# Altium PCB 4层.PcbDoc
Units mil, origin at the board's own origin, x right, y up, seen from the top; angles counter-clockwise.
Board outline 1821.34 x 584.68 mil, 4 copper layers (Top Layer, GND, POW, Bottom Layer), stack 22.362 mil thick; 37 components, 35 nets, 157 pads, 83 vias.
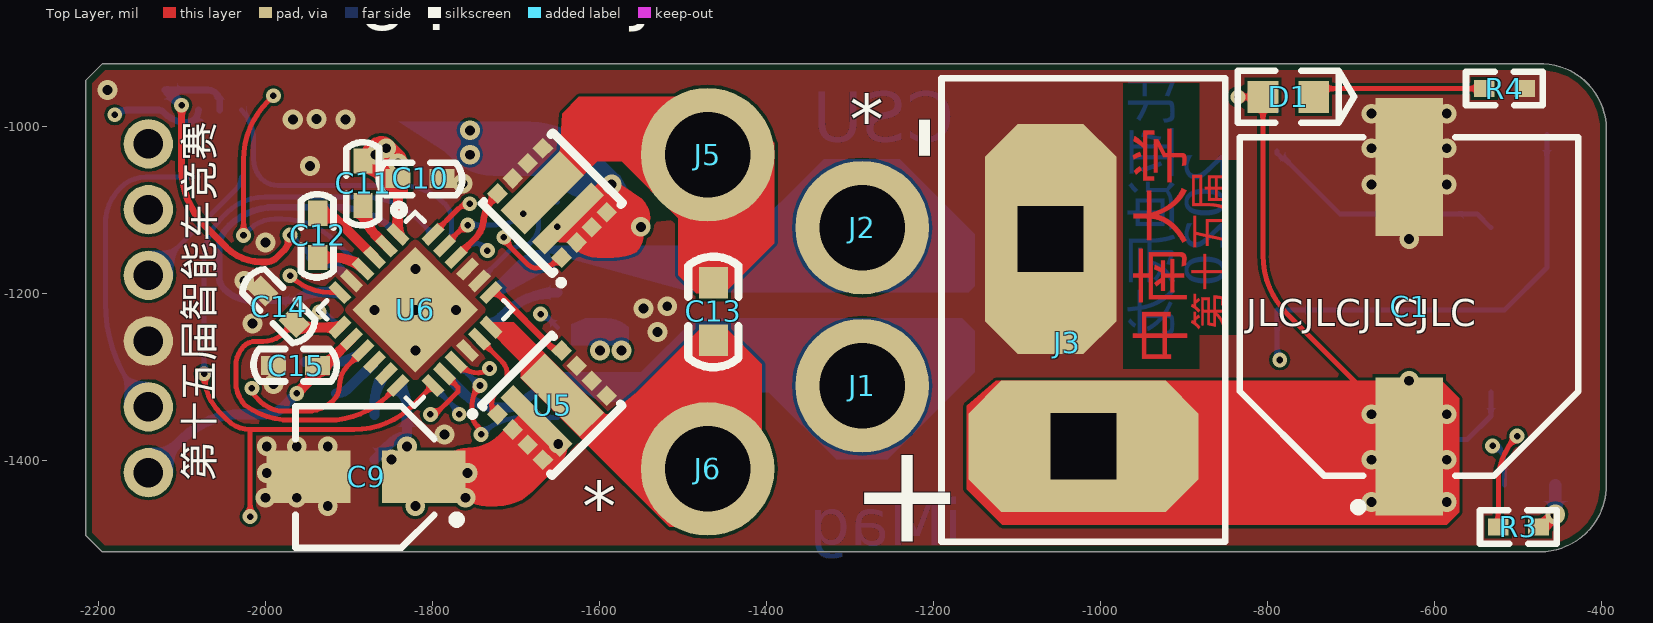
[diagram p0: Top Layer view]
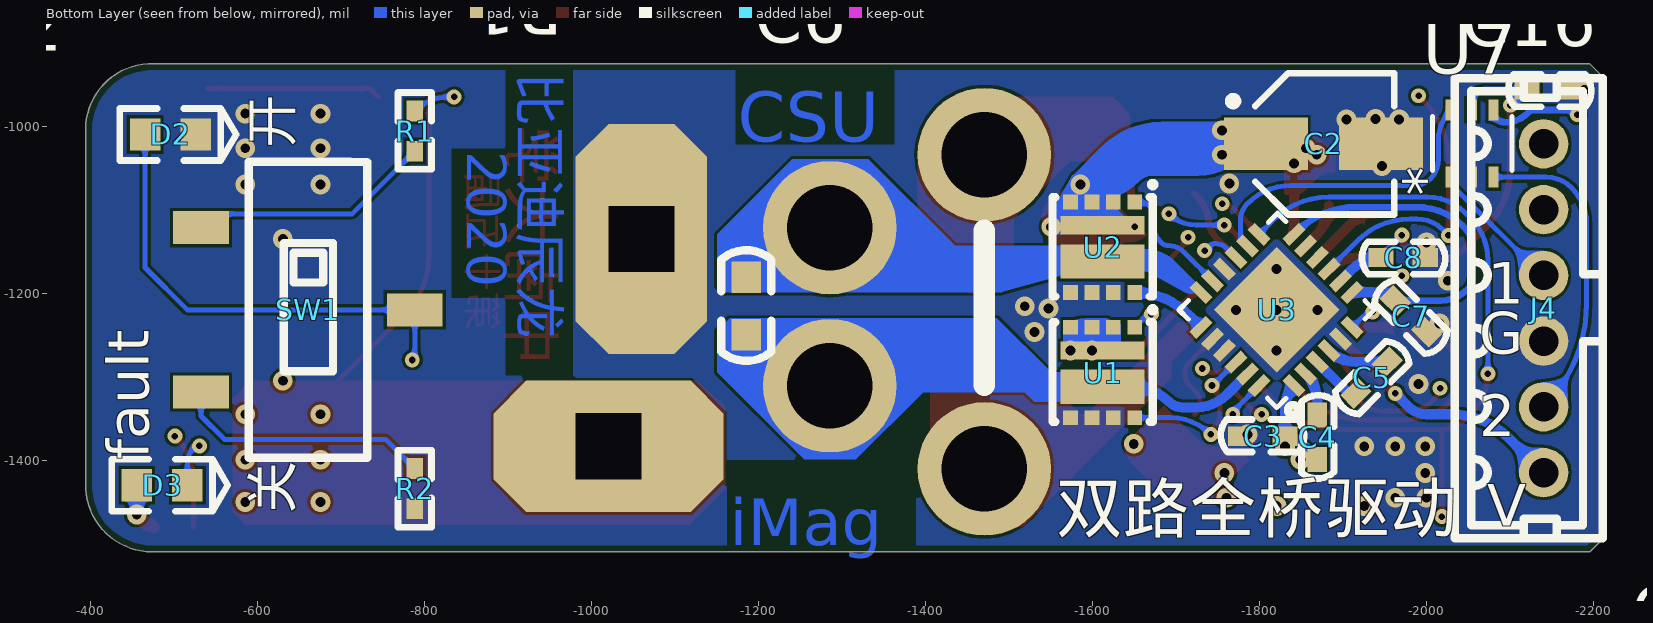
[diagram p1: Bottom Layer view, seen from below]
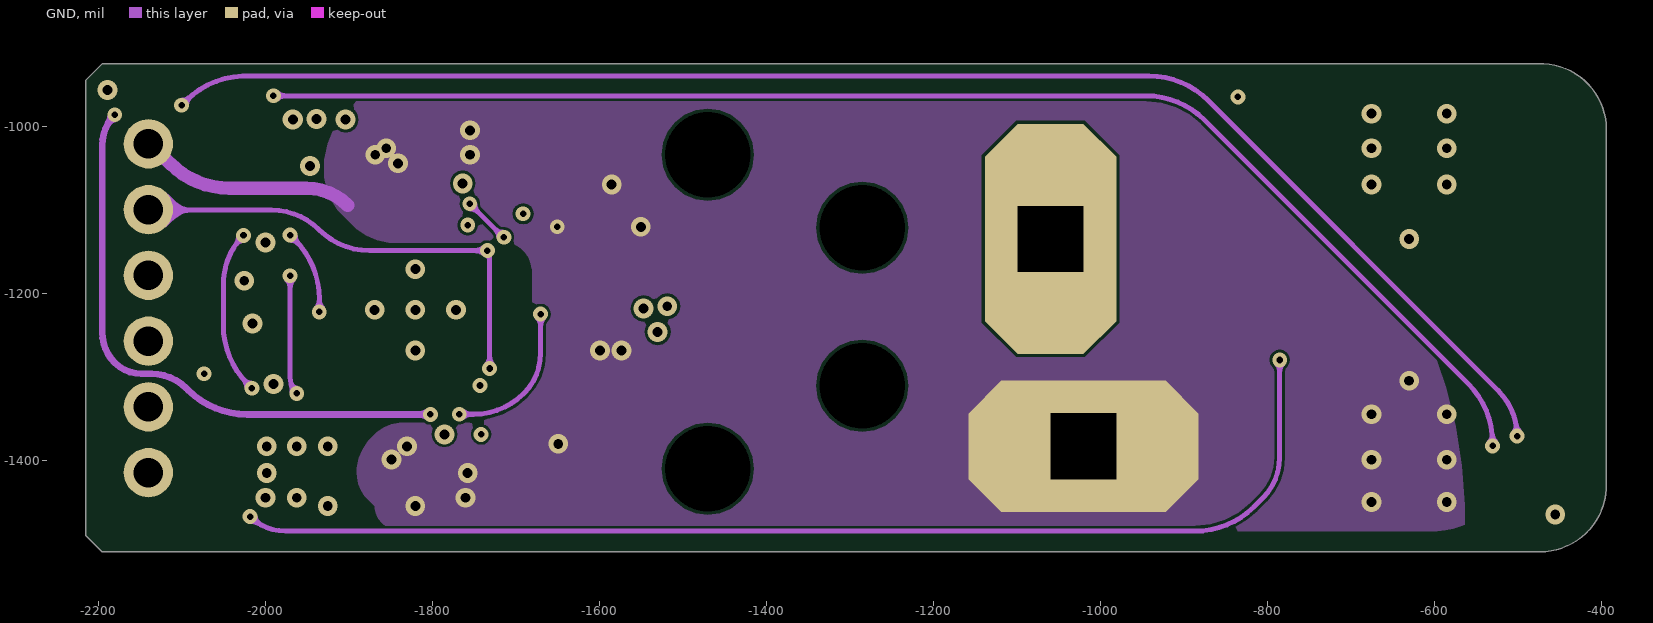
[diagram p2: GND]
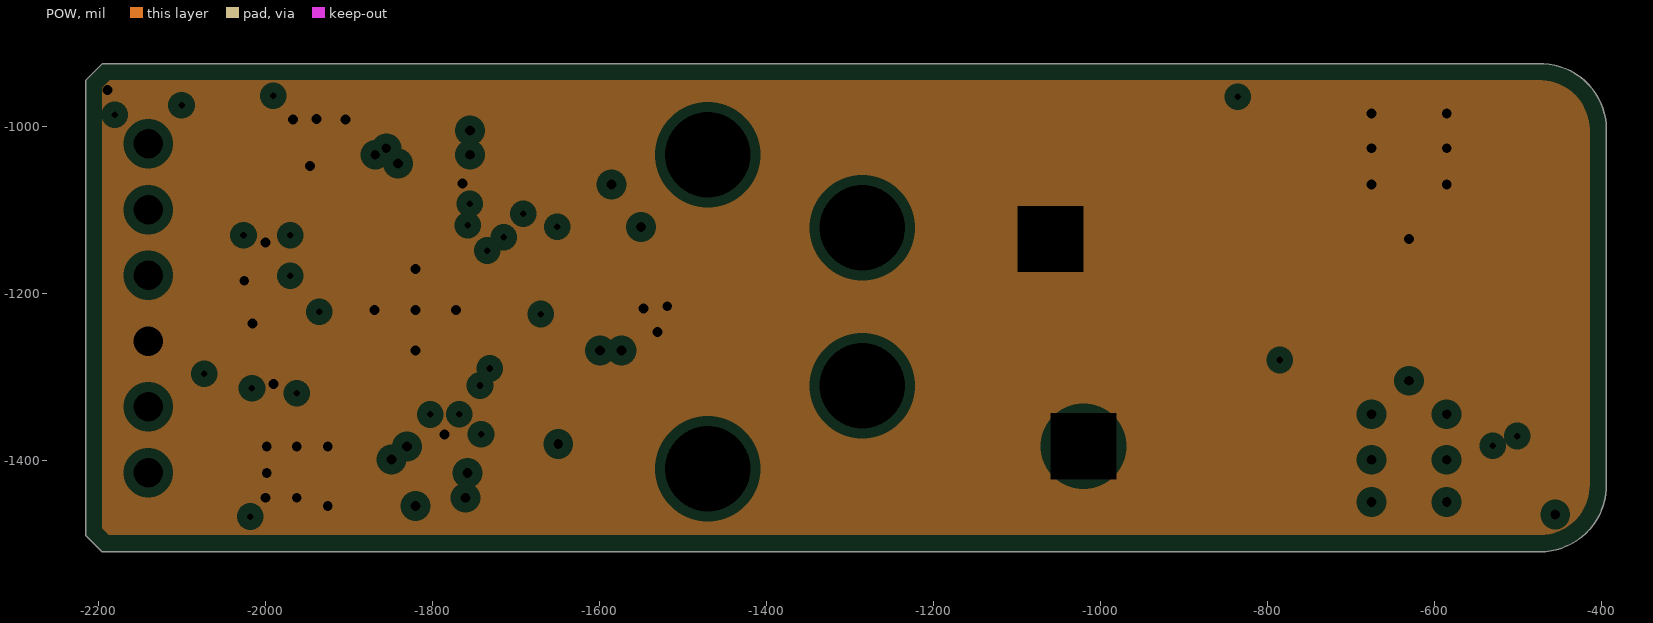
[diagram p3: POW, clearances drawn from the general rule]
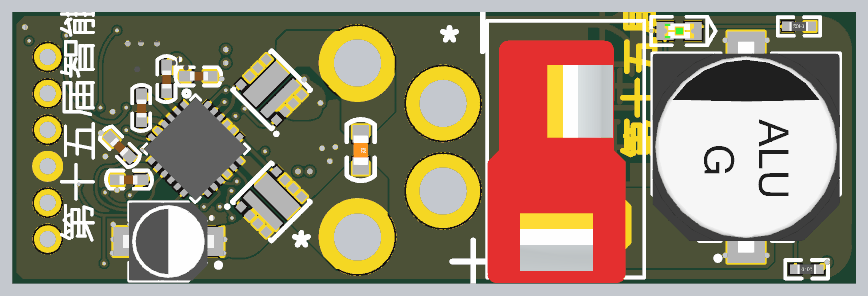
[diagram p4: 3D render of the assembled board from above, using the file's embedded part models]
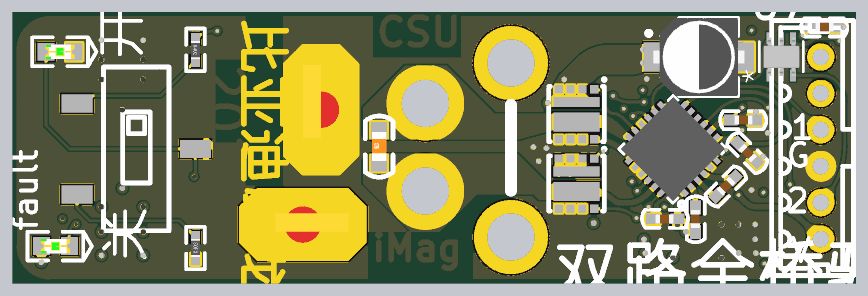
[diagram p5: 3D render of the assembled board from below, using the file's embedded part models]

## Layer stack, top to bottom
Top Solder: solder mask 0.3937, Solder Resist, Dk 3.5
Top Layer: signal copper 1.378
Dielectric 2: prepreg 2.7953, PP-006, Dk 4.1
GND: signal copper 0.7087
Dielectric 1: dielectric 12.5984, FR-4, Dk 4.8
POW: plane copper 0.7087, net GND
Dielectric 3: prepreg 2.7953, PP-006, Dk 4.1
Bottom Layer: signal copper 1.378
Bottom Solder: solder mask 0.3937, Solder Resist, Dk 3.5

## Board outline
-2215,-1490 -2195.36,-1509.64 -475.74,-1509.64 -473.32,-1509.68 ccw(c-473.32,-1430.02) -393.7,-1427.6 -393.7,-1004.59 -393.66,-1004.62 ccw(c-473.32,-1004.62) -475.74,-925 -473.29,-925 -2194.62,-925 -2215,-945.38

## Design rules (kind name [scope] priority, off if disabled: settings)
BoardOutlineClearance [All] p1: gap=7.87 ignorepadtopadclearanceinfootprint=FALSE
Clearance [All] p1: gap=3.5 ignorepadtopadclearanceinfootprint=TRUE except(5: Arc-SMDPad Arc-THPad Track-SMDPad Track-THPad)
ComponentClearance [All] p1: gap=0 collisioncheckmode=3 verticalgap=1 showdistances=TRUE
DiffPairsRouting [All] p1: maxlimit=10 minlimit=6 mostfreqgap=10 toplayer_minwidth=5.98 toplayer_maxwidth=15 toplayer_prefwidth=15 midlayer1_minwidth=5.98 midlayer1_maxwidth=15 midlayer1_prefwidth=15 bottomlayer_minwidth=5.98 bottomlayer_maxwidth=15 bottomlayer_prefwidth=15 maxuncoupledlength=500
HoleSize [All] p1: absolutevalues=TRUE maxlimit=3937.01 minlimit=7.87 maxpercent=80.000 minpercent=20.000
HoleToHoleClearance [All] p1: gap=0 allowstackedmicrovias=FALSE
LayerPairs [All] p1: enforce=FALSE
MinimumSolderMaskSliver [All] p1: minsoldermaskwidth=3
PlaneClearance [All] p1: clearance=12
PlaneConnect [All] p1: planeconnectstyle=Direct reliefexpansion=20 reliefentries=4 reliefconductorwidth=10 reliefairgap=10
PolygonConnect [All] p1: connectstyle=Direct reliefconductorwidth=10 reliefentries=4 polygonreliefangle="90 Angle" airgapwidth=10
RoomDefinition 原理图 [InComponentClass('原理图')] p1: confinementstyle=ConfineOut formatcopy=TRUE lockcomponents=FALSE outline -347.2,-2303.7 12.8,-2303.7 12.8,-1628.7 -347.2,-1628.7
RoutingVias [All] p1: holewidth=11.81 width=23.62 viastyle="Through Hole" minholewidth=7.87 minwidth=17.72 maxholewidth=248.03 maxwidth=275.59 useviatemplates=TRUE viatemplateguid#1={D87AA9FA-18AC-492F-8071-3CE836C7557F} viatemplatename#1=v45h20m0mx0
SilkToSilkClearance [All] p1: silktosilkclearance=0
SilkToSolderMaskClearance [IsPad] p1: minsilkscreentomaskgap=1 clearancetoexposedcopper=FALSE
SolderMaskExpansion [All] p1: expansion=4 istentingtop=FALSE
UnRoutedNet [All] p1: checkbadconnections=TRUE
Width [All] p1: maxlimit=80 minlimit=3.5 preferedwidth=6
19 further rules are at their usual default settings.

## Classes and differential pairs
net class BAT: GND VCC

## Components (designator, comment, footprint, x,y, rotation, side; value= is the part's Value field where it differs from the comment)
C1 "固态电解电容" "贴片电解 10*10.5" -630,-1216.11 r90 top value=100pF
C2 "电解电容" "贴片电解 4*5.4" -1876.1,-1021.19 r180 bottom value=100pF
C3 "104" C0402 -1780,-1371.22 r180 bottom value=22pF
C4 "105" C0402 -1868.76,-1349.15 r270 bottom value=22pF
C5 "104" C0402 -1950.36,-1284.64 r315 bottom value=22pF
C6 "电容" C0603 -1185,-1249.85 r90 bottom value=22pF
C7 "105" C0402 -1997.36,-1244.34 r45 bottom value=22pF
C8 "105" C0402 -1995,-1157.36 r0 bottom value=22pF
C9 "电解电容" "贴片电解 4*5.4" -1878.9,-1420 r180 top value=100pF
C10 "104" C0402 -1790.88,-1062.66 r180 top value=22pF
C11 "105" C0402 -1882.64,-1092 r90 top value=22pF
C12 "104" C0402 -1937,-1154.32 r90 top value=22pF
C13 "电容" C0603 -1463.12,-1187.43 r270 top value=22pF
C14 "105" C0402 -2000.36,-1199.64 r315 top value=22pF
C15 "105" C0402 -1987,-1286.76 r0 top value=22pF
C16 "104" C0402 -2170,-956.69 r0 bottom value=22pF
D1 "LED" "LED 0603B" -774.69,-965 r180 top
D2 "LED" "LED 0603G" -495.31,-1010 r0 bottom
D3 "LED" "LED 0603R" -485.31,-1430 r0 bottom
J1 "2mm灯笼香蕉头" MOTOR#1 -1285,-1310.86 r0 top
J2 "2mm灯笼香蕉头" MOTOR#1 -1285,-1121.56 r0 top
J3 "Battery" T插 -1020,-1107.84 r0 top
J4 "SIP-6" PH2.0-6P -2139.74,-1257.41 r90 bottom
J5 "2mm灯笼香蕉头" MOTOR#2 -1470,-1034.21 r0 top
J6 "2mm灯笼香蕉头" MOTOR#1 -1470,-1410.43 r0 top
R1 "100K" R0402 -787.94,-981.8 r270 bottom value=150R
R2 "100K/NC" R0402 -787.94,-1458.2 r90 bottom value=150R
R3 "4.7K" R0402 -523.2,-1480 r0 top value=150R
R4 "47k" R0402 -491.8,-955 r180 top value=150R
SW1 "K3-1235S-K1" K3-1235S-K1 -660.02,-1220 r270 bottom
U1 "半桥N-MOS" VDFN8 -1611.61,-1295.02 r0 bottom
U2 "半桥N-MOS" VDFN8 -1611.61,-1144.99 r0 bottom
U3 "DRV8701ERGET" VQFN-24_24PIN-L4.00-W4.00-PITCH0.50-EP-TL -1819.95,-1220 r45 bottom
U4 "半桥N-MOS" VDFN8 -1656.14,-1091.89 r45 top
U5 "半桥N-MOS" VDFN8 -1656.14,-1334.09 r315 top
U6 "DRV8701ERGET" VQFN-24_24PIN-L4.00-W4.00-PITCH0.50-EP-TL -1820,-1219.95 r315 top
U7 "SN74LVC2G14DCK3" SC70 -2054.08,-1020.81 r90 bottom

## Footprints (in the part's own frame and the unit in brackets; to place one, negate y for a bottom-side part, rotate by r counter-clockwise, add the part's x,y. Pads: shape width x height; smd on the part's side, far side on the other; paste and mask are expansions set on the pad)
C0402 [mil]
  rect 30x23 smd: 1(-3,0) 2(50,0)
  silkscreen extent -27,-19 73,20, body extent 2,-10 42,10, height 20
C0603 [mil]
  rect 38x35 smd: 1(0,0) 2(69,0)
  silkscreen extent -31,-30 101,30, body extent 4,-16 67,16, height 12
K3-1235S-K1 [mm]
  rect 1x1.7 smd: 1(-2.5,-3.25) 2(-0.002,3.25) 3(2.5,-3.25)
  silkscreen extent -4.5,-1.8 4.5,1.8
"LED 0603B" [mm] "蓝色0603LED"
  rect 0.93x0.98 smd: A(0.77,0) K(-0.77,0)
  silkscreen extent -2,-0.79 1.53,0.79, body extent -0.8,-0.4 0.8,0.4, height 0.61
"LED 0603G" [mm] "绿色0603LED"
  rect 0.93x0.98 smd: A(0.77,0) K(-0.77,0)
  silkscreen extent -2,-0.79 1.53,0.79, body extent -0.8,-0.4 0.8,0.4, height 0.61
"LED 0603R" [mm] "红色0603LED"
  rect 0.93x0.98 smd: A(0.77,0) K(-0.77,0)
  silkscreen extent -2,-0.79 1.53,0.79, body extent -0.8,-0.4 0.8,0.4, height 0.61
MOTOR#1 [mil] "镀金香蕉头2mm"
  round 160 / inner round 0 / far side round 160 hole 102.36: 1(0,0)
MOTOR#2 [mil] "镀金香蕉头2mm"
  round 160 / inner round 1 / far side round 160 hole 102.36: 1(0,0)
PH2.0-6P [mm]
  round 1.5 hole 0.9: 1(6,0) 2(4,0) 3(2,0) 4(0,0) 5(-2,0) 6(-4,0)
  silkscreen extent -6,-1.8 8,2.7, body extent -5.98,-6.48 8.02,0.22, height 4.8
R0402 [mil] "1/16W"
  rect 25x20 smd: 1(0,0) 2(48.2,0)
  silkscreen extent -22,-20 70,20, body extent 5,-10 44,10, height 14
SC70 [mil]
  rect 25.41x12 smd paste+0 mask+0: 1(-40.2,25.59) 2(-40.2,0) 3(-40.2,-25.59) 4(40.2,-25.59) 5(40.2,0) 6(40.2,25.59)
  silkscreen extent -32,-48 32,48, body extent -41,-40 41,39, height 37
T插 [mm]
  oct 7x4 hole 2 square: 1(0,-7)
  oct 4x7 hole 2 square: 2(-1,-0.692)
  silkscreen extent -4.32,-9.91 4.32,4.19, body extent -4.31,-10.21 3.29,3.09, height 13
VDFN8 [mm] "V-DFN3030-8K_L3.0-W3.0-P0.65-BL"
  rect 0.45x0.45 smd: 1(-0.975,-1.375) 2(-0.325,-1.375) 3(0.325,-1.375) 4(0.975,-1.375) 5(0.975,1.375) 6(0.325,1.375) 7(-0.325,1.375) 8(-0.975,1.375)
  rect 2.55x1.044 smd: 9(0,0.433)
  rect 2.55x0.556 smd: 10(0,-0.672)
  silkscreen extent -1.57,-1.96 1.52,1.5, body extent -1.52,-1.52 1.52,1.52, height 0.8
VQFN-24_24PIN-L4.00-W4.00-PITCH0.50-EP-TL [mm]
  rect 0.7x0.3 smd: 1(-2,1.25) 2(-2,0.75) 3(-2,0.25) 4(-2,-0.25) 5(-2,-0.75) 6(-2,-1.25) 13(2,-1.25) 14(2,-0.75) 15(2,-0.25) 16(2,0.25) 17(2,0.75) 18(2,1.25)
  rect 0.3x0.7 smd: 7(-1.25,-2) 8(-0.75,-2) 9(-0.25,-2) 10(0.25,-2) 11(0.75,-2) 12(1.25,-2) 19(1.25,2) 20(0.75,2) 21(0.25,2) 22(-0.25,2) 23(-0.75,2) 24(-1.25,2)
  rect 2.7x2.7 smd: 25(-0.001,-0.001)
  silkscreen extent -2.65,-2.1 2.1,2.1, body extent -2,-2 2,2, height 1
"贴片电解 4*5.4" [mm] "贴片电解 4*5.4"
  rect 2.55x1.6 smd: 1(-1.75,0) 2(1.75,0)
  silkscreen extent -2.88,-2.15 2.15,2.15, body extent -2.5,-2.15 2.5,2.15, height 5.4
"贴片电解 10*10.5" [mm]
  rect 4.2x2.05 smd: 1(-4.25,0) 2(4.25,0)
  silkscreen extent -6.22,-5.15 5.15,5.15, body extent -5.8,-5.15 5.8,5.15, height 10.2

## Part data
C1: library part 电解电容, "Polarized Capacitor (Axial)", LatestRevisionDate=17-Jul-2002, LatestRevisionNote="Re-released for DXP Platform.", PackageDescription="Polarized Capacitor; 2 Leads", PackageReference=POLAR0.8, Published=8-Jun-2000, Publisher="Altium Limited"
C2 C9: "Polarized Capacitor (Axial)", LatestRevisionDate=17-Jul-2002, LatestRevisionNote="Re-released for DXP Platform.", PackageDescription="Polarized Capacitor; 2 Leads", PackageReference=POLAR0.8, Published=8-Jun-2000, Publisher="Altium Limited"
C3 C4 C5 C7 C8 C10 C11 C12 C14 C15 C16: library part 电容, "Capacitor", LatestRevisionDate=17-Jul-2002, LatestRevisionNote="Re-released for DXP Platform.", PackageDescription="Radial Cap, Thru-Hole; 2 Leads; 0.3 in Pin Spacing", PackageReference=RAD-0.3, Published=8-Jun-2000, Publisher="Altium Limited"
C6 C13: "Capacitor", LatestRevisionDate=17-Jul-2002, LatestRevisionNote="Re-released for DXP Platform.", PackageDescription="Radial Cap, Thru-Hole; 2 Leads; 0.3 in Pin Spacing", PackageReference=RAD-0.3, Published=8-Jun-2000, Publisher="Altium Limited"
R1 R2 R3 R4: library part 电阻, "Resistor", LatestRevisionDate=17-Jul-2002, LatestRevisionNote="Re-released for DXP Platform.", PackageDescription="Axial Device, Thru-Hole; 2 Leads; 0.3 in Pin Spacing", PackageReference=AXIAL-0.3, Published=8-Jun-2000, Publisher="Altium Limited"
SW1: library part 单刀双掷, "Switch"
U3 U6: library part DRV8701, "H桥驱动", BOM_Manufacturer=TI, BOM_Manufacturer Part=DRV8701ERGET, BOM_Supplier=LCSC, BOM_Supplier Part=C132049, Contributor=LCSC, spicePre=U
U7: "门级和反向器", Built_By=EMA_Matt, Copyright="Copyright (C) 2018 Accelerated Designs. All rights reserved", Datasheet=https://www.ti.com/lit/ds/symlink/sn74lvc2g14.pdf?HQS=TI-null-null-mousermode-df-pf-null-wwe&ts=1593468560008&ref_url=https%253A%252F%252Fwww.mouser.com%252F, Manufacturer_Part_Number=SN74LVC2G14DCK3, RefDes=RefDes, SourceLibrary=TI_2020-07-01, Type=DEV, Vendor="Texas Instruments"

## Via types
v1: diameter 23.62, hole 11.81, Top Layer to Bottom Layer, tented both sides, 51 vias
v2: diameter 17.72, hole 7.87, Top Layer to Bottom Layer, tented both sides, 27 vias
v3: diameter 24, hole 12, Top Layer to Bottom Layer, tented both sides, 5 vias

## Nets (pads, with @x,y where several pads share a name; then routed paths per layer and width w, separated by ;. In a path a pad name is that pad's centre, name@x,y a point inside that pad or via, vN(x,y) a via of type N, cw(c..) or ccw(c..) an arc to the next point about the centre after c; other vN are vias at no path point)
1A: J4.3 U7.1 | length 163.7
  Bottom Layer w6: J4.3 ccw(c-2139.74,-1174.47) -2136.77,-1177.44 -2034.25,-1074.92 ccw(c-2048.16,-1061.01) U7.1
1Y: U3.14 U7.6 | length 371.7
  Bottom Layer w6: U7.6 cw(c-2064.2,-1016.32) -2013.7,-1016.32 -2013.7,-1039.83 ccw(c-1980.81,-1039.83) -2004.06,-1063.09 ccw(c-1984.77,-1043.8) -1984.77,-1071.08 -1836.92,-1071.08 cw(c-1836.92,-1144.29) -1785.15,-1092.52 cw(c-1805.63,-1113) -1776.67,-1113 -1776.67,-1127.49 cw(c-1794.72,-1127.49) -1781.96,-1140.25 U3.14
2A: J4.5 U7.3 | length 378
  Bottom Layer w6: J4.5 cw(c-2015.28,-1211.69) -2191.3,-1211.69 -2191.3,-1117.22 cw(c-2129.9,-1117.22) -2173.31,-1073.81 -2173,-1073.49 cw(c-2142.86,-1103.63) -2142.86,-1061.01 U7.3
2Y: U6.14 U7.4 | length 878.6
  Top Layer w6: v2@-1794.13,-1342.99 -1784.68,-1333.54 -1784.47,-1333.54 -1769.14,-1318.21 -1769.14,-1312.57 U6.14
  GND w8: v2(-2180,-986.45) ccw(c-2143.79,-1022.66) -2195,-1022.66 -2195,-1247.07 ccw(c-2143.79,-1247.07) -2180,-1283.29 ccw(c-2147.89,-1251.17) -2147.89,-1296.59 -2136.02,-1296.59 cw(c-2136.02,-1355.61) -2094.29,-1313.88 -2092.23,-1315.94 ccw(c-2021.52,-1245.23) -2021.52,-1345.23 v2(-1801.97,-1345.23)
  GND w12: v2@-1802.2,-1345 v2(-1801.97,-1345.23)
  Bottom Layer w8: v2(-2180,-986.45) cw(c-2165.89,-1000.56) -2165.89,-980.6 -2128.53,-980.6 cw(c-2128.53,-990.6) -2121.47,-983.53 ccw(c-2089.41,-951.48) -2100.79,-995.36 -2092.4,-995.36 ccw(c-2092.4,-984.05) -2084.42,-992.06 ccw(c-2095.85,-980.6) U7.4
\FAULT: D3.K U3.9 U6.9 | length 2440.7
  Top Layer w6: v2(-2025.79,-1130.8) -2025.79,-1040.88 cw(c-1925.79,-1040.88) -1996.51,-970.17 v2(-1990,-963.66) ; v2(-2015.71,-1313.88) ccw(c-2002.07,-1313.88) -2015,-1318.21 ccw(c-2002.07,-1313.88) -2011.71,-1323.52 -2005.59,-1329.64 ccw(c-1977.27,-1301.31) -1989.64,-1339.41 ccw(c-1977.27,-1301.31) -1977.27,-1341.37 -1950.33,-1341.37 ccw(c-1950.33,-1295.64) -1926.34,-1334.57 ccw(c-1950.33,-1295.64) -1917.99,-1327.98 ccw(c-1935.1,-1310.86) -1910.9,-1310.86 cw(c-1877.28,-1310.86) -1901.06,-1287.1 U6.9
  GND w6: v2(-2025.79,-1130.8) ccw(c-1967.36,-1189.24) -2049.26,-1178.23 ccw(c-1967.36,-1189.24) -2050,-1189.24 -2050,-1238.16 ccw(c-1950,-1238.16) -2020.71,-1308.87 v2(-2015.71,-1313.88) ; v2(-1990,-963.66) -945.34,-963.66 cw(c-945.34,-1063.66) -874.63,-992.95 -559.29,-1308.29 cw(c-630,-1379) -530,-1379 v2(-530,-1382.86)
  Bottom Layer w6: v2(-2025.79,-1130.8) -2018.92,-1123.93 cw(c-1988.04,-1154.81) -1988.04,-1111.14 -1980,-1111.14 cw(c-1980,-1201.1) -1916.39,-1137.49 U3.9 ; v2(-530,-1382.86) -529.82,-1382.86 ccw(c-529.82,-1376.92) -525.63,-1381.12 cw(c-549.77,-1405.26) -515.63,-1405.26 D3.K
\SLEEP: D2.A SW1.2 U3.13 U6.13 | length 2866.5
  Top Layer w6: v2(-2073.01,-1296.56) ccw(c-2006.57,-1296.56) -2053.55,-1343.54 -2045,-1352.09 ccw(c-2017.89,-1324.98) -2017.89,-1363.32 ; v2(-2017.89,-1467.5) -2017.89,-1363.32 ; U6.13 -1822.73,-1334.03 cw(c-1893.44,-1263.32) -1893.44,-1363.32 -2017.89,-1363.32
  GND w6: v2(-2017.89,-1467.5) ccw(c-1975.64,-1425.25) -1975.64,-1485 -886.42,-1485 ccw(c-886.42,-1385) -815.71,-1455.71 -805,-1445 ccw(c-853.28,-1396.72) -785,-1396.72 v2(-785,-1280)
  Bottom Layer w6: v2(-2073.01,-1296.56) -2073.01,-1160.44 cw(c-2002.26,-1160.44) -2052.29,-1110.41 -2045.34,-1103.46 cw(c-2000.21,-1148.6) -2000.21,-1084.76 -1882.59,-1084.77 cw(c-1882.59,-1178.31) -1816.44,-1112.16 U3.13 ; v2(-785,-1280) cw(c-777.87,-1272.87) -787.95,-1272.87 SW1.2 -515.63,-1219.94 -465,-1169.31 D2.A
AVDD1: C7.2 U3.7 U3.12 | length 442.9
  Bottom Layer w7.87: C7.2 -2015.71,-1208.99 cw(c-2015.71,-1162.41) -2048.64,-1195.35 cw(c-2033.3,-1180) -2055,-1180 -2055,-1145.7 cw(c-2020.86,-1145.7) -2045,-1121.56 -2043.22,-1119.78 cw(c-1988.04,-1174.96) -1988.04,-1096.92 -1914.86,-1096.92 cw(c-1914.86,-1196.92) -1844.15,-1126.21 U3.12
  Bottom Layer w12: C7.2 cw(c-1938.19,-1232.8) -1938.19,-1199.13 U3.7
AVDD2: C14.2 U6.7 U6.12 | length 401.9
  Top Layer w6: C14.2@-1950.92,-1240.83 cw(c-1950.92,-1220.92) C14.2 -1977.66,-1247.66 cw(c-2002.48,-1222.84) -2002.48,-1257.94 -2012.52,-1257.94 ccw(c-2012.52,-1275.59) -2025,-1263.11 ccw(c-2000.86,-1287.25) -2035,-1287.25 -2035,-1306.62 ccw(c-1995.46,-1306.62) -2023.42,-1334.57 ccw(c-1968.97,-1258.71) -1968.97,-1352.09 -1923.97,-1352.09 ccw(c-1923.97,-1252.09) -1853.26,-1322.8 U6.12
  Top Layer w12: C14.2@-1950.92,-1240.83 U6.7
DVDD1: C8.2 C16.2 R3.1 U3.6 U3.8 U7.5 | length 2541.7
  Top Layer w6: R3.1 -523.2,-1425.39 cw(c-446.41,-1425.39) v2(-500.71,-1371.09)
  Top Layer w8: v2(-2100,-975) -2100,-1050.15 ccw(c-2000,-1050.15) -2070.71,-1120.86 -2046.35,-1145.22 ccw(c-2004.28,-1103.16) -2004.28,-1162.64 -1998.75,-1162.64 ccw(c-1998.75,-1144.48) -1985.96,-1157.38 -1977.74,-1149.16 ; -1977.73,-1149.15 ccw(c-1996.41,-1130.48) v2(-1970,-1130.48)
  GND w6: v2(-2100,-975) -2094.29,-969.29 cw(c-2023.58,-1040) -2026.88,-940.05 cw(c-2023.58,-1040) -2023.58,-940 -941.42,-940 cw(c-941.42,-1040) -870.71,-969.29 -523.2,-1316.8 cw(c-577.48,-1371.09) v2(-500.71,-1371.09) ; v2(-1970,-1130.48) -1964.29,-1136.19 cw(c-2035,-1206.9) -1935,-1206.9 v2(-1935,-1222.47)
  Bottom Layer w6: v2(-1970,-1130.48) C8.2@-1946.33,-1154.14 ; C8.2@-1946.33,-1154.15 cw(c-1949.56,-1157.36) C8.2 ; v2(-1935,-1222.47) -1935,-1225 cw(c-1935,-1245.97) -1920.17,-1231.14 U3.6
  Bottom Layer w8: C16.2@-2117.11,-957.89 ccw(c-2120,-960.79) C16.2 -2068.63,-956.69 cw(c-2068.63,-970.66) -2058.75,-960.79 cw(c-2070.03,-972.06) -2054.08,-972.06 U7.5
  Bottom Layer w12: C16.2@-2117.11,-957.89 v2(-2100,-975) ; C8.2 cw(c-1945,-1207.21) -1909.76,-1171.96 U3.8
DVDD2: C15.2 J4.6 U6.6 U6.8 | length 527
  Top Layer w6: v2(-1970,-1179.2) ccw(c-1922.01,-1131.21) -1963.19,-1185.15 ccw(c-1922.01,-1131.21) -1922.01,-1199.08 U6.6 ; -1942.82,-1300.82 ccw(c-1956.88,-1286.76) C15.2
  Top Layer w12: v2(-1962,-1320) C15.2@-1934.17,-1292.17 ; C15.2 ccw(c-1937,-1266.43) -1922.62,-1280.81 U6.8
  GND w6: v2(-1970,-1179.2) -1970,-1300.69 ccw(c-1942.69,-1300.69) v2(-1962,-1320)
  Bottom Layer w12: J4.6 -2139.59,-1414.74 -2139.32,-1414.74 -2098.87,-1374.29 cw(c-2028.16,-1445) -2028.16,-1345 -1999.48,-1345 ccw(c-1999.48,-1314.88) -1978.18,-1336.18 v2(-1962,-1320)
GND: C1.2 C2.2 C3.1 C7.1 C8.1 C9.2 C10.1 C14.1 C15.1 C16.1 D2.K J3.2 J4.4 R2.1 R4.1 U1.5 U1.6 U1.7 U2.5 U2.6 U2.7 U3.5 U3.16 U3.20 U3.21 U3.25 U4.5 U4.6 U4.7 U5.5 U5.6 U5.7 U6.5 U6.16 U6.20 U6.21 U6.25 U7.2
  other v1: -1925,-1455 -1999.48,-1445 -1962,-1445 -1998,-1415.42 -1998,-1383.43 -1962,-1383.43 -1925,-1383.43 -1785.16,-1369.16 -1990,-1308.78 -1820,-1268.76 -1530,-1246.47 -2015,-1236.26 -1868.76,-1220 -1820,-1220 -1771.24,-1220 -1546.74,-1218.39 -1518.42,-1215.74 -2025,-1185.2 -1820,-1171.24 -1999.48,-1139.38 -630,-1135.08 -675,-1070 -585,-1070 -1763.42,-1068.64 -675,-1026.47 -585,-1026.47 -675,-985 -585,-985
  other v3: -1946.33,-1047.68 -1966.82,-992.05 -1938.19,-991.36 -1903.46,-992.06 -2188.91,-956.69
LGH1: U2.1 U3.17 | length 146.1
  Bottom Layer w6: U3.17 -1708.8,-1150.61 cw(c-1690.57,-1168.84) -1690.57,-1143.05 ccw(c-1690.57,-1130.48) -1681.68,-1139.38 -1680.75,-1138.44 ccw(c-1700.67,-1118.52) -1672.5,-1118.52 -1672.5,-1103.94 cw(c-1662.57,-1103.94) -1669.59,-1096.92 cw(c-1654.94,-1111.57) -1654.94,-1090.86 U2.1
LGH2: U1.1 U3.24 | length 261.6
  GND w6: v2(-1767.39,-1345) -1750.36,-1345 ccw(c-1750.36,-1259.64) -1690,-1320 ccw(c-1738.28,-1271.72) -1670,-1271.72 v2(-1670,-1225)
  Bottom Layer w6: U3.24 -1765,-1344.55 -1765,-1345 v2(-1767.39,-1345) ; v2(-1670,-1225) cw(c-1670,-1234.94) -1662.97,-1227.91 U1.1
LGL1: U2.8 U3.19 | length 92.9
  Bottom Layer w12: U3.19 -1714.4,-1225.8 cw(c-1650,-1290.21) -1706.02,-1218.39 cw(c-1698.67,-1227.88) -1704.95,-1217.65 ccw(c-1709.92,-1209.56) -1703.79,-1216.81 -1703.32,-1216.42 cw(c-1695.56,-1225.57) -1702.44,-1215.74 cw(c-1650,-1290.21) U2.8
LGL2: U1.8 U3.22 | length 201.5
  Top Layer w6: v2(-1742.61,-1310.54) ccw(c-1719.85,-1333.29) -1752.03,-1333.29 -1752.03,-1345.23 ccw(c-1733.31,-1345.23) -1746.55,-1358.47 -1741.69,-1363.32 -1741.69,-1368.35 ccw(c-1735.99,-1366.46) v2(-1741.35,-1369.16)
  Bottom Layer w6: U3.22 -1743.85,-1310.03 ccw(c-1742.61,-1308.78) v2(-1742.61,-1310.54) ; v2(-1741.35,-1369.16) cw(c-1693.05,-1417.46) -1693.05,-1349.15 U1.8
LSH1: C6.2 J2.1 U2.9 U3.18
LSH2: C6.1 J1.1 U1.9 U3.23 | length 194.5
  Bottom Layer w12: U3.23 -1760.21,-1321.51 ccw(c-1723.59,-1284.89) -1723.59,-1336.68 -1707.09,-1336.68 ccw(c-1707.09,-1313.88) -1690.96,-1330 cw(c-1647.66,-1373.31) -1647.66,-1312.06 U1.9
NetC4_1: C4.1 U3.2 | length 53.3
  Bottom Layer w12: C4.1 -1868.76,-1330.38 cw(c-1820.94,-1330.38) U3.2
NetC5_1: C5.1 U3.4 | length 73.6
  Bottom Layer w12: C5.1 -1915.92,-1282.52 ccw(c-1915.92,-1235.39) U3.4
NetC5_2: C5.2 U3.3 | length 60.9
  Bottom Layer w12: C5.2 ccw(c-1915,-1298.34) -1899.69,-1313.66 U3.3
NetC11_1: C11.1 U6.2 | length 57.8
  Top Layer w12: C11.1 ccw(c-1833.01,-1095) -1868.1,-1130.1 U6.2
NetC12_1: C12.1 U6.4 | length 58.1
  Top Layer w12: C12.1 -1916.24,-1157.32 cw(c-1916.24,-1204.83) U6.4
NetC12_2: C12.2 U6.3 | length 88.6
  Top Layer w12: C12.2 cw(c-1937,-1141.23) -1910.9,-1115.13 U6.3
NetD1_K: D1.K R4.2 | length 208.5
  Top Layer w6: D1.K -734.37,-955 R4.2
NetD3_A: D3.A R3.2 | length 61.2
  Top Layer w15: R3.2 -472.5,-1477.5 -468.1,-1477.5 -455.6,-1465 v1(-455,-1465)
  Bottom Layer w15: v1(-455,-1465) D3.A
NetR1_2: R1.2 SW1.1 | length 295.3
  Bottom Layer w6: R1.2 -787.94,-1032.5 -780.94,-1039.5 -778.44,-1039.5 -712.94,-1105 -548.64,-1105 SW1.1
NetR2_2: R2.2 SW1.3 | length 312.1
  Bottom Layer w6: R2.2 -787.94,-1407.5 -780.94,-1400.5 -778.44,-1400.5 -752.94,-1375 -560,-1375 -532.06,-1347.06 SW1.3
PH: J4.2 U3.15 U6.15 | length 653.5
  Top Layer w6: U6.15 -1768.44,-1285.44 ccw(c-1744.6,-1261.6) -1744.6,-1295.31 cw(c-1742.61,-1310.54) -1742,-1295.19 ccw(c-1741.76,-1289.2) -1740.96,-1295.15 ccw(c-1743.37,-1277.91) v2(-1731.06,-1290.22)
  GND w6: J4.2 -2134.97,-1099.93 -2134.44,-1100.46 -1992.35,-1100.46 cw(c-1992.35,-1181.56) -1935,-1124.21 ccw(c-1875.22,-1064.43) -1875.22,-1148.97 v2(-1733.78,-1148.97) -1731.54,-1151.22 -1731.54,-1157.87 -1731.06,-1158.35 v2(-1731.06,-1290.22)
  Bottom Layer w6: U3.15 -1759.69,-1145.82 cw(c-1747.22,-1158.28) -1747.22,-1140.65 cw(c-1747.22,-1153.01) -1738.48,-1144.27 v2(-1733.78,-1148.97)
RGH1: U5.1 U6.17 | length 111.7
  Top Layer w6: U6.17 -1716.14,-1282.06 cw(c-1730.59,-1296.51) -1710.16,-1296.51 -1710.16,-1296.67 cw(c-1729.61,-1296.67) -1715.86,-1310.42 -1721.72,-1316.28 ccw(c-1704.71,-1333.29) -1728.76,-1333.29 ccw(c-1717.34,-1333.29) -1725.42,-1341.37 U5.1
RGH2: U4.1 U6.24 | length 210.5
  Top Layer w6: U6.24 -1768.25,-1098.6 cw(c-1754.83,-1112.02) v2(-1754.83,-1093.04) ; v2(-1713.98,-1133.12) -1713.98,-1132.68 ccw(c-1719.98,-1132.68) -1714.28,-1130.8 -1714.38,-1130.5 cw(c-1714.4,-1132.42) -1713.03,-1131.05 -1710.16,-1133.91 ccw(c-1693.32,-1133.91) -1705.23,-1145.82 -1685.43,-1165.62 ; -1685.42,-1165.62 ccw(c-1674.85,-1155.03) -1674.85,-1170 ccw(c-1674.85,-1128.57) -1645.55,-1157.86 U4.1
  GND w6: v2(-1754.83,-1093.04) -1715.29,-1132.58 ccw(c-1713.98,-1131.27) v2(-1713.98,-1133.12)
RGL1: U5.8 U6.19 | length 111.8
  Top Layer w7.87: U6.19 cw(c-1729.53,-1216.15) -1717.46,-1204.08 -1658.43,-1263.11 ccw(c-1645,-1249.68) U5.8
RGL2: U4.8 U6.22 | length 102.1
  Top Layer w7.87: U6.22 -1748.21,-1134.25 ccw(c-1772.46,-1110) -1739.17,-1118.23 ; -1738.17,-1110 cw(c-1772.46,-1110) -1739.17,-1118.23 ; U4.8 -1723.57,-1082.76 ccw(c-1685.77,-1120.56) -1739.17,-1118.23
RSH1: C13.2 J6.1 U5.9 U6.18
RSH2: C13.1 J5.1 U4.9 U6.23 | length 110
  Top Layer w6: U6.23 v2@-1756.96,-1115.15
  Bottom Layer w6: v2(-1757.37,-1118.52) -1723.61,-1118.52 ccw(c-1723.61,-1072.35) v2(-1690.96,-1105)
VCC: C1.1 C2.1 C3.2 C4.2 C9.1 C10.2 C11.2 D1.A J3.1 J4.1 R1.1 U1.2 U1.3 U1.4 U1.10 U2.2 U2.3 U2.4 U2.10 U3.1 U4.2 U4.3 U4.4 U4.10 U5.2 U5.3 U5.4 U5.10 U6.1 | length 934.6
  Top Layer w6: v2(-835,-965) D1.A -805,-1154.44 ccw(c-705,-1154.44) -775.71,-1225.15 -675,-1325.86
  Top Layer w12: U6.1 C10.2
  GND w16: J4.1@-2139.74,-1018.62 -2113.39,-1044.98 ccw(c-2042.68,-974.27) -2042.68,-1074.27 -1963.9,-1074.27 cw(c-1963.84,-1090.27) -1962.99,-1074.29 ccw(c-1961.74,-1051.01) -1960.5,-1074.29 cw(c-1959.65,-1090.27) -1959.59,-1074.27 -1950.52,-1074.27 cw(c-1950.52,-1144.26) -1901.03,-1094.77
  Bottom Layer w6: v2(-835,-965) -828.5,-965 cw(c-828.5,-1022.36) R1.1
  Bottom Layer w12: C4.2 -1848.49,-1378.88 cw(c-1830,-1397.37) C3.2 -1830,-1336.63 ccw(c-1866.98,-1336.63) U3.1
  other v1: -1820,-1455 -675,-1450 -585,-1450 -1760,-1445 -1757.37,-1415.42 -675,-1399.51 -585,-1399.51 -1848.49,-1399.15 -1830,-1383.43 -1648.88,-1380.45 -675,-1345 -585,-1345 -630,-1304.86 -1598.82,-1268.76 -1573.23,-1268.56 -1550,-1120.56 -1585,-1070 -1840.88,-1044.57 -1868.1,-1034.21 -1754.72,-1034.21 -1854.8,-1026.47 -1754.72,-1005
  other v2: -1650,-1120.56
pads on no net: U3.10 U3.11 U6.10 U6.11

## Polygon pours and split planes (outlines as drawn)
VCC on GND "NONET_L01_P-001" (solid, remove dead copper, pour order 0): -1899.75,-979.41 ccw(c-1829.05,-1050.12) -1929.04,-1050.12 -1929.04,-1054.11 ccw(c-1855.72,-1054.11) -1907.57,-1105.96 -1895,-1118.52 ccw(c-1844.65,-1068.18) -1844.65,-1139.38 -1714.13,-1139.38 cw(c-1714.13,-1172.12) -1690.96,-1148.97 cw(c-1717.41,-1175.43) -1680,-1175.44 -1680,-1261.46 cw(c-1779.98,-1261.47) -1709.29,-1332.17 -1716.14,-1339.02 cw(c-1754.71,-1300.45) -1754.72,-1355 -1834.58,-1355 ccw(c-1834.59,-1403.32) -1868.76,-1369.16 -1872.31,-1372.7 ccw(c-1829.6,-1415.41) -1890,-1415.42 ccw(c-1845.72,-1415.42) -1877.03,-1446.73 -1868.76,-1455 ccw(c-1841.63,-1455) -1860.82,-1474.18 -1860,-1475 ccw(c-1835.86,-1450.86) -1835.86,-1485 -601.42,-1485 ccw(c-601.42,-1385) -563.38,-1477.48 ccw(c-1147.91,-1475.27) -1358.53,-930 -1808.92,-930 ccw(c-1808.94,-1029.96) -1879.63,-959.29
GND on Top Layer "NONET_L01_P-001" (solid, remove dead copper, pour order 1): -2235,-900 cw(c-2247.07,-912.07) -2230,-912.07 -2230,-1515 -397.07,-1515 cw(c-397.07,-1532.07) -385,-1520 -385,-910
GND on Bottom Layer "NONET_L01_P-001" (solid, remove dead copper, pour order 2): -2245,-900 -385,-900 -385,-1535 -2220.86,-1535 cw(c-2220.86,-1500.86) -2245,-1525
GND on POW (split plane): -466.64,-945.34 -460.05,-946.47 -453.62,-948.32 -447.44,-950.88 -441.59,-954.11 -436.13,-957.98 -431.14,-962.44 -426.68,-967.43 -422.81,-972.89 -419.58,-978.74 -417.02,-984.92 -415.17,-991.35 -414.05,-997.94 -413.72,-1003.78 -413.8,-1004.59 -413.8,-1427.6 -413.74,-1428.21 -413.77,-1428.21 -413.67,-1430.02 -414.05,-1436.7 -415.17,-1443.29 -417.02,-1449.72 -419.58,-1455.9 -422.81,-1461.76 -426.68,-1467.21 -431.14,-1472.2 -436.13,-1476.66 -441.59,-1480.53 -447.44,-1483.77 -453.62,-1486.33 -460.05,-1488.18 -466.64,-1489.3 -472.6,-1489.63 -473.02,-1489.58 -475.44,-1489.55 -475.59,-1489.56 -475.74,-1489.55 -2187.03,-1489.55 -2194.9,-1481.68 -2194.9,-953.7 -2186.3,-945.1 -475.74,-945.1 -473.29,-945.1 -472.48,-945.02

## Other copper
Top Layer:
  region net VCC: -1890,-1055 cw(c-1890,-1088.82) -1866.09,-1064.9 -1853.33,-1077.66 ccw(c-1842.49,-1066.82) -1842.49,-1082.15 -1830.88,-1082.15 ccw(c-1835.19,-1077.84) -1829.09,-1077.84 -1829.09,-1044.18 ccw(c-1848.94,-1044.18) -1834.91,-1030.14 -1847.51,-1017.54 ccw(c-1860.77,-1030.81) -1860.77,-1012.05 ccw(c-1860.77,-1031.5) -1874.52,-1017.75 -1890.99,-1034.21
  pour cut-out: -1535.47,-1115.1 cw(c-1526.96,-1123.62) -1526.96,-1111.57 -1508.79,-1111.57
  region net VCC: -1685,-1335 -1719.19,-1369.19 cw(c-1757.36,-1331.01) -1757.36,-1385 ccw(c-1757.36,-1423.63) -1784.68,-1396.32 -1787.88,-1399.51 -1772.45,-1414.94 cw(c-1802.51,-1445) -1760,-1445 ccw(c-1735.86,-1420.86) -1735.86,-1455 -1721.67,-1455 ccw(c-1721.67,-1396.02) -1679.96,-1437.72 -1647.87,-1405.63 ccw(c-1673.06,-1380.45) -1637.43,-1380.45
  region net VCC: -1665,-1130 ccw(c-1642.74,-1107.74) -1642.74,-1139.22 -1637.43,-1139.22 -1631.58,-1145.07 ccw(c-1602.03,-1115.52) -1602.03,-1157.31 -1582.69,-1157.31 ccw(c-1582.69,-1095.54) -1555.43,-1150.98 ccw(c-1576.4,-1130) -1546.74,-1130 ccw(c-1561.62,-1113.23) -1539.24,-1114.56 ccw(c-1572.1,-1110.6) -1548.7,-1087.2 -1585,-1062.66 -1591.8,-1062.66 ccw(c-1588.41,-1079.73) -1602.88,-1070.07 -1608.81,-1076
  region net RSH1: -1741.31,-1235 -1693.73,-1282.58 -1693.73,-1302.16 -1515.89,-1480 -1430,-1480 -1405,-1455 -1405,-1285 -1449.17,-1240.83 -1477.07,-1240.83 -1555,-1318.76 -1587.51,-1345.23 -1591.8,-1345.23 -1702.03,-1235
  region net RSH2: -1650.66,-1090.64 -1602.03,-1042 -1573,-1042 -1505,-1110 -1505,-1178.67 -1483.67,-1200 -1450,-1200 -1390,-1140 -1390,-1020 -1445,-965 -1624.09,-965 -1644.09,-985
  region net VCC: -1125,-1305 -1124.86,-1304.86 -591,-1304.86 -570,-1325.86 -570,-1462.5 -585,-1477.5 -1117.5,-1477.5 -1160,-1435 -1160,-1335
  text "第十五届" at -839.82,-1246.47 h60 r90
  text "中南大学" at -885,-1286.91 h90 r90
Bottom Layer:
  region net VCC: -1633.46,-1237.5 cw(c-1634.93,-1238.11) -1633.46,-1238.71 -1633.46,-1262.5 -1570.45,-1262.5 ccw(c-1570.45,-1253.96) -1564.41,-1260 -1564.41,-1240.88 ccw(c-1590.68,-1267.15) -1590.68,-1230 -1616.32,-1230
  region net VCC: -1840,-995 -1681.57,-995 cw(c-1681.57,-1095) -1610.85,-1024.29 -1578.61,-1056.54 ccw(c-1572.68,-1062.47) -1581.06,-1062.47 -1581.06,-1091.47 -1593.66,-1091.47 cw(c-1593.66,-1003.33) -1655.98,-1065.66 ccw(c-1671.08,-1080.75) -1671.08,-1059.41 -1726.93,-1059.41 cw(c-1726.93,-989.82) -1776.13,-1039.03 -1785.15,-1030
  region net VCC: -1640,-1110 -1626.92,-1096.92 ccw(c-1632.99,-1090.86) -1624.41,-1090.86 cw(c-1596.78,-1090.86) -1616.32,-1071.32 -1605,-1060 cw(c-1592.93,-1072.07) -1592.93,-1055 -1585,-1055 cw(c-1585,-1068.5) -1575.46,-1058.95 -1546.74,-1110 cw(c-1566.37,-1119.76) -1546.74,-1129.53 -1564.41,-1129.53
  region net LSH1: -1661.97,-1146.97 ccw(c-1661.97,-1199.15) -1698.87,-1162.26 -1725.04,-1188.43 ccw(c-1714.35,-1199.13) -1729.48,-1199.13 -1729.48,-1201.46 ccw(c-1727.41,-1191.49) -1721.82,-1200 ccw(c-1716.95,-1184.91) -1709.92,-1199.13 -1673.83,-1178.92 cw(c-1661.44,-1193.56) -1661.44,-1174.38 -1650,-1174.38
  region: -1530,-1200
  region net LSH1: -1665.49,-1150.49 -1658.45,-1143.45 -1435.03,-1143.45 -1331.08,-1039.5 -1240.03,-1039.5 -1150,-1129.53 -1150,-1191.63 -1157.5,-1199.13 -1490.87,-1199.13 -1491.72,-1198.28
  region net LSH2: -1660,-1295 -1550,-1295 -1485,-1230 -1165,-1230 -1150,-1245 -1150,-1295 -1254.15,-1399.15 -1315.85,-1399.15 -1396.58,-1318.42 -1518.42,-1318.42 -1530,-1330 -1598.82,-1330
  text "比亚迪辰龙" at -900,-935.24 h80 r90
  text "CSU" at -1175,-1018.63 h60
  text "2020" at -835,-1030 h80 r90
  text "iMag" at -1165,-1501.65 h56

## Silkscreen, mask and mechanical layers (free items; w line width, h text height)
Top Overlay:
  text "*" at -1300,-1021.72 h60
  text "JLCJLCJLCJLC" at -825,-1239.43 h32.5
  text "第十五届智能车竞赛" at -2050,-1425 h60 r90
  text "*" at -1620,-1485 h60
Bottom Overlay:
  lines w26: -1470,-1310 -1470,-1125
  text "开" at -655,-1026.47 h80 r270
  text "1" at -2073.01,-1212.53 h50
  text "G" at -2062.85,-1272.63 h50
  text "2" at -2062.85,-1371.17 h50
  text "fault" at -469.57,-1398.9 h50 r270
  text "关" at -655,-1465 h80 r270
  text "V" at -2072.16,-1478.44 h50
  text "双路全桥驱动" at -1555.27,-1505 h100
Top Solder:
  text "第十五届" at -839.82,-1246.47 h60 r90
Bottom Solder:
  text "比亚迪辰龙" at -900,-935.24 h80 r90
Mechanical 1:
  lines w6: -475.74,-1509.64 -2195.36,-1509.64 -2215,-1490 -2215,-945.38 -2194.62,-925 -473.29,-925 ; -475.74,-925 cw(c-473.32,-1004.62) -393.66,-1004.62 ; -473.32,-1509.68 ccw(c-473.32,-1430.02) -393.7,-1427.6 -393.7,-1004.59
Drill Drawing:
  text ".Legend" at 65,60 h120

## Text inside footprints (layer, text, board x,y; h text height)
J3: Top Overlay "+" at -1300,-1497.84 h120; Top Overlay "-" at -1165,-1043.66 h120 r90
U7: Bottom Overlay "*" at -2021.49,-1083.51 h50 r270; Mechanical 13 "*" at -2064.58,-1045.81 h50 r270